# Altium PCB sinking-clock_LED-PCB.PcbDoc (part 2 of 2)
Units mil, origin at the board's own origin, x right, y up, seen from the top; angles counter-clockwise.
Board outline 5984.25 x 3267.72 mil, 2 copper layers (Top Layer, Bottom Layer), stack 61.8 mil thick; 143 components, 145 nets, 483 pads, 178 vias.
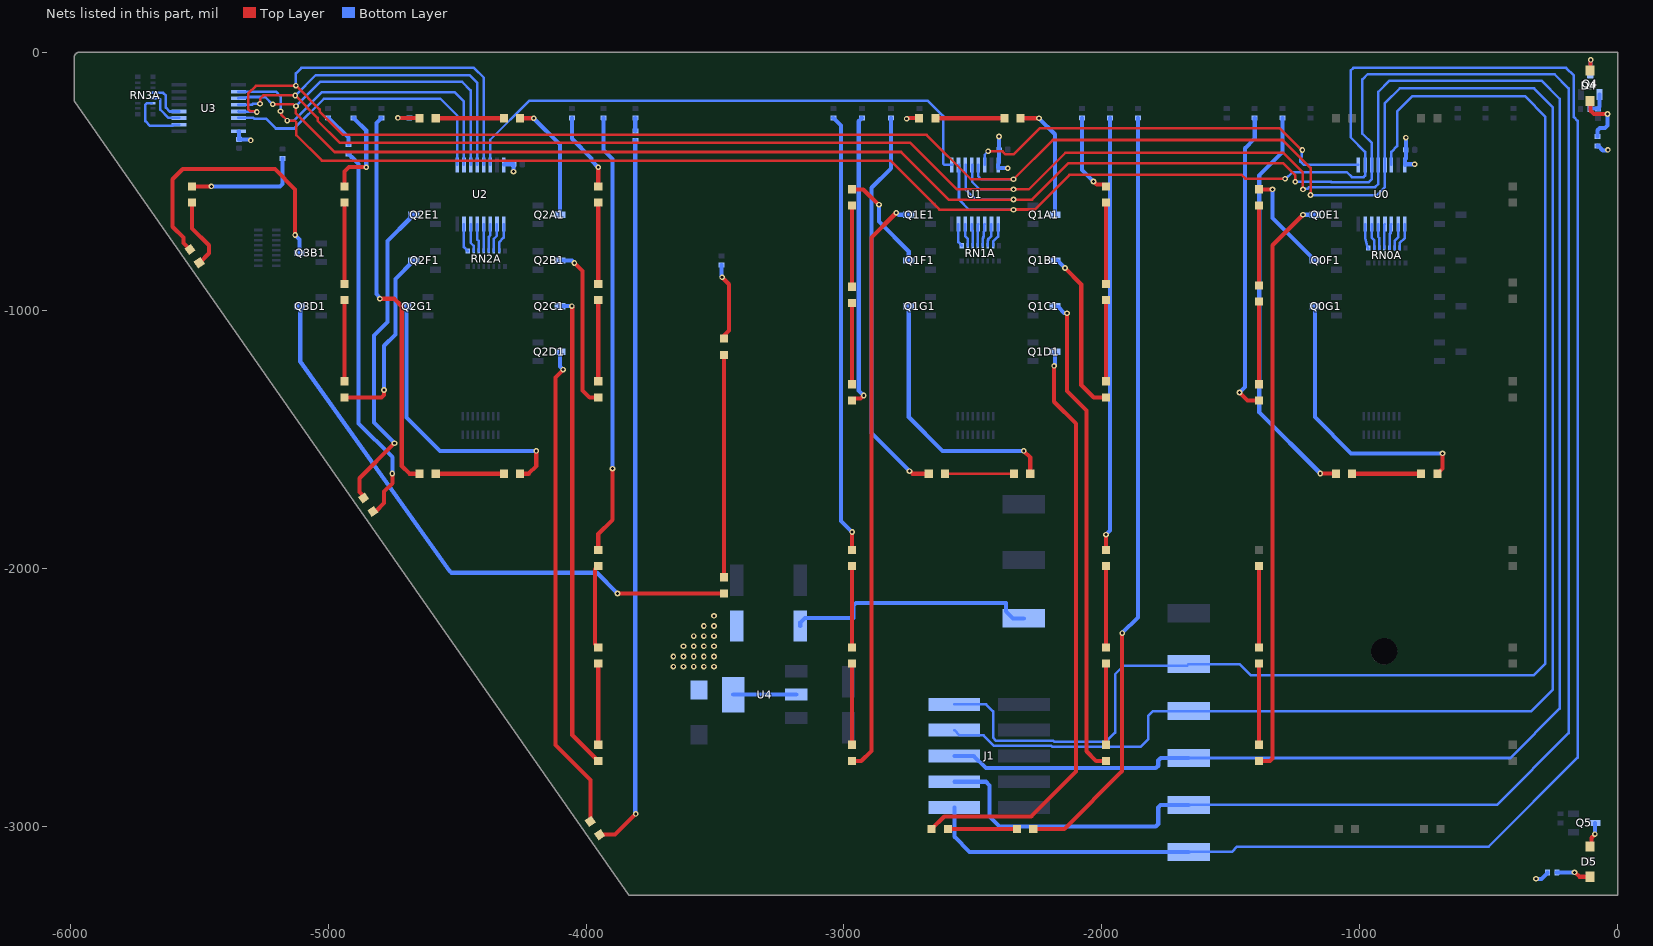
[diagram p2: the nets of this part, all layers, seen from the top]

## Via types
v1: diameter 22, hole 11, Top Layer to Bottom Layer, tented both sides, 177 vias
v2: diameter 24, hole 10, Top Layer to Bottom Layer, tented both sides, 1 vias

## Nets (pads, with @x,y where several pads share a name; then routed paths per layer and width w, separated by ;. In a path a pad name is that pad's centre, name@x,y a point inside that pad or via, vN(x,y) a via of type N, cw(c..) or ccw(c..) an arc to the next point about the centre after c; other vN are vias at no path point) (continued)
NetD0E1_2: D0E1.2 D0E2.1 | length 315
  Top Layer w16: D0E2.1@-1390.94,-2307.09 D0E1.2@-1390.94,-1992.13
NetD0E2_2: D0E2.2 D0E3.1 | length 295.3
  Top Layer w16: D0E3.1@-1390.94,-2677.17 D0E2.2@-1390.94,-2381.89
NetD0E3_2: D0E3.2 Q0E1.3 | length 2260.4
  Top Layer w16: D0E3.2@-1390.94,-2748.03 -1347.96,-2748.03 -1338.58,-2738.66 -1338.58,-748.03 v1(-1220.47,-629.92)
  Bottom Layer w16: v1(-1220.47,-629.92) Q0E1.3@-1174.02,-629.92
NetD0F1_1: D0F1.1 R0F2.1 | length 1177.6
  Top Layer w16: v1(-1466.54,-1318.9) -1435.59,-1349.84 D0F1.1@-1390.94,-1349.84
  Bottom Layer w16: v1(-1466.54,-1318.9) -1445,-1297.36 -1445,-372.17 -1407.48,-334.65 R0F2.1@-1407.48,-254.13
NetD0F1_2: D0F1.2 D0F2.1 | length 320.1
  Top Layer w16: D0F1.2@-1390.94,-1286.85 D0F2.1@-1390.94,-966.77
NetD0F2_2: D0F2.2 D0F3.1 | length 309.8
  Top Layer w16: D0F2.2@-1390.94,-903.78 D0F3.1@-1390.94,-593.93
NetD0F3_2: D0F3.2 Q0F1.3 | length 401.9
  Top Layer w16: D0F3.2@-1390.94,-530.94 -1390.66,-531.22 -1338.86,-531.22 v1(-1338.58,-531.5)
  Bottom Layer w16: v1(-1338.58,-531.5) -1338.58,-642.52 -1187.47,-793.63 -1187.47,-803.08 -1183.46,-807.09 Q0F1.3@-1174.02,-807.09
NetD0G1_1: D0G1.1 R0G2.1 | length 1575.6
  Top Layer w16: v1(-1153.23,-1633.34) -1152.97,-1633.6 -1092.97,-1633.6 D0G1.1@-1092.71,-1633.86
  Bottom Layer w16: R0G2.1@-1299.21,-254.13 -1299.21,-386.17 -1390,-476.96 -1390,-1395.43 -1153.23,-1632.2 v1(-1153.23,-1633.34)
NetD0G1_2: D0G1.2 D0G2.1 | length 267.7
  Top Layer w16: D0G1.2@-1029.72,-1633.86 D0G2.1@-762,-1633.86
NetD0G2_2: D0G2.2 Q0G1.3 | length 1070.4
  Top Layer w16: D0G2.2@-699.01,-1633.86 -679.13,-1613.98 v1(-679.13,-1555.12)
  Bottom Layer w16: Q0G1.3@-1174.02,-984.25 -1174.02,-1414.57 -1033.46,-1555.12 v1(-679.13,-1555.12)
NetD1A1_1: D1A1.1 R1A2.1 | length 101.8
  Top Layer w16: v1(-2757.16,-257.52) -2755.53,-257.52 -2753.04,-255.02 -2709.55,-255.02 D1A1.1@-2708.66,-255.91
  Bottom Layer w16: v1(-2757.16,-257.52) -2755.53,-257.52 -2752.15,-254.13 R1A2.1@-2706.69,-254.13
NetD1A1_2: D1A1.2 D1A2.1 | length 267.7
  Top Layer w16: D1A1.2@-2645.67,-255.91 D1A2.1@-2377.95,-255.91
NetD1A2_2: D1A2.2 Q1A1.3 | length 470.5
  Top Layer w16: D1A2.2@-2314.96,-255.91 v1(-2244.09,-255.91)
  Bottom Layer w16: v1(-2244.09,-255.91) -2182.28,-317.72 Q1A1.3@-2182.28,-629.92
NetD1B1_1: D1B1.1 R1B2.1 | length 321.3
  Top Layer w16: v1(-2032.77,-500.89) -2031.14,-500.89 -2020.1,-511.94 -1992,-511.94 D1B1.1@-1984.25,-519.69
  Bottom Layer w16: R1B2.1@-2076.77,-254.13 -2076.77,-456.88 v1(-2032.77,-500.89)
NetD1B1_2: D1B1.2 D1B2.1 | length 315
  Top Layer w16: D1B2.1@-1984.25,-897.64 D1B1.2@-1984.25,-582.68
NetD1B2_2: D1B2.2 D1B3.1 | length 315
  Top Layer w16: D1B3.1@-1984.25,-1275.59 D1B2.2@-1984.25,-960.63
NetD1B3_2: D1B3.2 Q1B1.3 | length 646.7
  Top Layer w16: v1(-2143.31,-836.61) -2080,-899.92 -2080,-1290 -2031.42,-1338.58 D1B3.2@-1984.25,-1338.58
  Bottom Layer w16: Q1B1.3@-2182.28,-807.09 -2172.83,-807.09 v1(-2143.31,-836.61)
NetD1C1_1: D1C1.1 R1C2.1 | length 1681.5
  Top Layer w16: D1C1.1@-1984.25,-1929.13 v1(-1984.25,-1870.08)
  Bottom Layer w16: v1(-1984.25,-1870.08) -1968.5,-1854.33 R1C2.1@-1968.5,-254.13
NetD1C1_2: D1C1.2 D1C2.1 | length 305.1
  Top Layer w16: D1C2.1@-1984.25,-2303.15 D1C1.2@-1984.25,-1998.03
NetD1C2_2: D1C2.2 D1C3.1 | length 315
  Top Layer w16: D1C3.1@-1984.25,-2685.04 D1C2.2@-1984.25,-2370.08
NetD1C3_2: D1C3.2 Q1C1.3 | length 1879.2
  Top Layer w16: v1(-2135.42,-1011.81) -2135.42,-1313.17 -2060,-1388.58 -2060,-2710 -2021.97,-2748.03 D1C3.2@-1984.25,-2748.03
  Bottom Layer w16: Q1C1.3@-2182.28,-984.25 -2178.28,-988.26 -2168.83,-988.26 -2146.42,-1010.66 -2136.56,-1010.66 v1(-2135.42,-1011.81)
NetD1D1_1: D1D1.1 R1D2.1 | length 2996.5
  Top Layer w16: D1D1.1@-2266.3,-3011.81 -2145.67,-3011.81 -1921.26,-2787.4 v1(-1921.26,-2251.97)
  Bottom Layer w16: v1(-1921.26,-2251.97) -1860.24,-2190.95 R1D2.1@-1860.24,-254.13
NetD1D1_2: D1D1.2 D1D2.1 | length 267.7
  Top Layer w16: D1D2.1@-2597.01,-3011.81 D1D1.2@-2329.3,-3011.81
NetD1D2_2: D1D2.2 Q1D1.3 | length 2316.2
  Top Layer w16: D1D2.2@-2660,-3011.81 -2611.14,-2962.95 -2273.97,-2962.95 -2100,-2788.98 -2100,-1440 -2185.04,-1354.96 v1(-2185.04,-1215.81)
  Bottom Layer w16: v1(-2185.04,-1215.81) -2185.04,-1214.18 -2182.28,-1211.43 Q1D1.3@-2182.28,-1161.42
NetD1E1_1: D1E1.1 R1E2.1 | length 1705.2
  Top Layer w16: D1E1.1@-2968.5,-1929.13 v1(-2968.5,-1860.24)
  Bottom Layer w16: R1E2.1@-3041.34,-254.13 -3011.81,-283.66 -3011.81,-1816.93 v1(-2968.5,-1860.24)
NetD1E1_2: D1E1.2 D1E2.1 | length 295.3
  Top Layer w16: D1E2.1@-2968.5,-2303.15 D1E1.2@-2968.5,-2007.87
NetD1E2_2: D1E2.2 D1E3.1 | length 315
  Top Layer w16: D1E3.1@-2968.5,-2685.04 D1E2.2@-2968.5,-2370.08
NetD1E3_2: D1E3.2 Q1E1.3 | length 2269.3
  Top Layer w16: D1E3.2@-2968.5,-2748.03 -2933.07,-2748.03 -2893.7,-2708.66 -2893.7,-718.5 v1(-2797.28,-622.09)
  Bottom Layer w16: v1(-2797.28,-622.09) -2795.66,-622.09 -2787.82,-629.92 Q1E1.3@-2748.82,-629.92
NetD1F1_1: D1F1.1 R1F2.1 | length 1144.7
  Top Layer w16: D1F1.1@-2968.5,-1349.84 -2960.76,-1342.09 -2936.14,-1342.09 -2924.85,-1330.81 v1(-2923.23,-1330.81)
  Bottom Layer w16: R1F2.1@-2929.79,-254.13 -2931.96,-254.13 -2933.6,-255.78 -2933.6,-257.94 -2942.91,-267.26 -2942.91,-1311.12 v1(-2923.23,-1330.81)
NetD1F1_2: D1F1.2 D1F2.1 | length 315
  Top Layer w16: D1F1.2@-2968.5,-1286.85 D1F2.1@-2968.5,-971.89
NetD1F2_2: D1F2.2 D1F3.1 | length 315
  Top Layer w16: D1F2.2@-2968.5,-908.9 D1F3.1@-2968.5,-593.94
NetD1F3_2: D1F3.2 Q1F1.3 | length 393.3
  Top Layer w16: D1F3.2@-2968.5,-530.94 -2968.23,-531.22 -2925.13,-531.22 -2865.8,-590.55 v1(-2864.17,-590.55)
  Bottom Layer w16: v1(-2864.17,-590.55) -2864.17,-656.3 -2748.82,-771.66 Q1F1.3@-2748.82,-807.09
NetD1G1_1: D1G1.1 R1G2.1 | length 1541.2
  Top Layer w16: v1(-2746.06,-1624.02) -2744.44,-1624.02 -2734.6,-1633.86 D1G1.1@-2671.26,-1633.86
  Bottom Layer w16: R1G2.1@-2818.24,-254.13 -2818.24,-449.73 -2893.7,-525.19 -2893.7,-1476.38 v1(-2746.06,-1624.02)
NetD1G1_2: D1G1.2 D1G2.1 | length 267.7
  Top Layer w9.84: D1G1.2@-2608.27,-1633.86 D1G2.1@-2340.55,-1633.86
NetD1G2_2: D1G2.2 Q1G1.3 | length 1029.3
  Top Layer w16: v1(-2303.15,-1545.28) -2277.56,-1570.87 D1G2.2@-2277.56,-1633.86
  Bottom Layer w16: Q1G1.3@-2748.82,-984.25 -2748.82,-1414.57 -2618.11,-1545.28 v1(-2303.15,-1545.28)
NetD2A1_1: D2A1.1 R2A2.1 | length 129.1
  Top Layer w16: v1(-4729.54,-254.13) -4728.66,-255.02 -4646.55,-255.02 D2A1.1@-4645.67,-255.91
  Bottom Layer w16: v1(-4729.54,-254.13) R2A2.1@-4685.04,-254.13
NetD2A1_2: D2A1.2 D2A2.1 | length 263.8
  Top Layer w16: D2A1.2@-4582.68,-255.91 D2A2.1@-4318.9,-255.91
NetD2A2_2: D2A2.2 Q2A1.3 | length 469.1
  Top Layer w16: D2A2.2@-4255.91,-255.91 v1(-4202.76,-255.91)
  Bottom Layer w16: v1(-4202.76,-255.91) -4101.57,-357.09 Q2A1.3@-4101.57,-629.92
NetD2B1_1: D2B1.1 R2B2.1 | length 308
  Top Layer w16: D2B1.1@-3952.76,-519.69 v1(-3952.76,-445.92)
  Bottom Layer w16: R2B2.1@-4055.12,-254.13 -4055.12,-335.26 -3979.01,-411.37 -3979.01,-419.67 v1(-3952.76,-445.92)
NetD2B1_2: D2B1.2 D2B2.1 | length 315
  Top Layer w16: D2B2.1@-3952.76,-897.64 D2B1.2@-3952.76,-582.68
NetD2B2_2: D2B2.2 D2B3.1 | length 315
  Top Layer w16: D2B3.1@-3952.76,-1275.59 D2B2.2@-3952.76,-960.63
NetD2B3_2: D2B3.2 Q2B1.3 | length 639.7
  Top Layer w16: v1(-4045.28,-816.93) -4013.71,-848.49 -4013.71,-1310.7 -3985.83,-1338.58 D2B3.2@-3952.76,-1338.58
  Bottom Layer w16: Q2B1.3@-4101.57,-807.09 -4055.12,-807.09 v1(-4045.28,-816.93)
NetD2C1_1: D2C1.1 R2C2.1 | length 1712.1
  Top Layer w16: D2C1.1@-3952.76,-1929.13 -3952.76,-1867.77 -3897.64,-1812.65 v1(-3897.64,-1614.17)
  Bottom Layer w16: R2C2.1@-3932.09,-254.13 -3932.09,-379.5 -3897.64,-413.95 v1(-3897.64,-1614.17)
NetD2C1_2: D2C1.2 D2C2.1 | length 325.1
  Top Layer w16: D2C2.1@-3952.76,-2307.09 -3965,-2294.84 -3965,-2004.37 D2C1.2@-3952.76,-1992.13
NetD2C2_2: D2C2.2 D2C3.1 | length 315
  Top Layer w16: D2C3.1@-3952.76,-2685.04 D2C2.2@-3952.76,-2370.08
NetD2C3_2: D2C3.2 Q2C1.3 | length 1852.6
  Top Layer w16: v1(-4055.12,-984.25) -4053.97,-985.4 -4053.97,-989.64 -4053.44,-990.18 -4053.44,-2647.35 D2C3.2@-3952.76,-2748.03
  Bottom Layer w16: Q2C1.3@-4101.57,-984.25 v1(-4055.12,-984.25)
NetD2D1_1: D2D1.1 R2D2.1 | length 2785.8
  Top Layer w16: D2D1.1@-3947.5,-3033.67 -3946.95,-3033.12 -3932.46,-3033.12 -3931.75,-3032.41 -3887.29,-3032.41 v1(-3807.64,-2952.76)
  Bottom Layer w16: R2D2.1@-3809.06,-340.94 -3809.06,-2949.72 -3807.64,-2951.13 v1(-3807.64,-2952.76)
NetD2D1_2: D2D1.2 Q2D1.3 | length 1893.6
  Top Layer w16: v1(-4088.98,-1230.32) -4088.98,-1231.94 -4118.19,-1261.15 -4118.19,-2686.35 -3983.42,-2821.12 D2D1.2@-3983.42,-2981.86
  Bottom Layer w16: Q2D1.3@-4101.57,-1161.42 -4101.57,-1217.72 v1(-4088.98,-1230.32)
NetD2E1_1: D2E1.1 R2E2.1 | length 1496
  Top Layer w16: D2E1.1@-4826.42,-1779.74 -4815.53,-1779.74 -4783.46,-1747.67 -4783.46,-1703.39 -4751.22,-1671.14 v1(-4751.22,-1633.35)
  Bottom Layer w16: R2E2.1@-4921.26,-393.7 -4919.09,-393.7 -4917.45,-395.35 -4917.45,-398.69 -4911.42,-404.72 -4910.24,-404.72 -4881.89,-433.07 -4881.89,-1439.2 -4751.22,-1569.88 v1(-4751.22,-1633.35)
NetD2E1_2: D2E1.2 Q2E1.3 | length 1264
  Top Layer w16: D2E1.2@-4862.55,-1728.14 -4862.55,-1721.25 -4878.98,-1704.83 -4878.98,-1651.41 v1(-4743.07,-1515.51)
  Bottom Layer w16: v1(-4743.07,-1515.51) -4822.83,-1435.74 -4822.83,-1097.93 -4770.44,-1045.53 -4770.44,-732.25 -4681.57,-643.38 -4681.57,-633.93 -4677.56,-629.92 Q2E1.3@-4668.11,-629.92
NetD2F1_1: D2F1.1 R2F2.1 | length 362.7
  Top Layer w16: D2F1.1@-4937.01,-519.69 -4937.01,-462.6 -4919.64,-445.23 -4853.05,-445.23 v1(-4852.36,-445.92)
  Bottom Layer w16: R2F2.1@-4901.57,-254.13 -4899.41,-254.13 -4897.76,-255.78 -4897.76,-257.94 -4852.36,-303.35 v1(-4852.36,-445.92)
NetD2F1_2: D2F1.2 D2F2.1 | length 315
  Top Layer w16: D2F2.1@-4937.01,-897.64 D2F1.2@-4937.01,-582.68
NetD2F2_2: D2F2.2 D2F3.1 | length 315
  Top Layer w16: D2F3.1@-4937.01,-1275.59 D2F2.2@-4937.01,-960.63
NetD2F3_2: D2F3.2 Q2F1.3 | length 727.1
  Top Layer w16: D2F3.2@-4937.01,-1338.58 -4793.31,-1338.58 -4783.46,-1328.74 v1(-4783.46,-1309.06)
  Bottom Layer w16: v1(-4783.46,-1309.06) -4783.46,-1137.72 -4739.31,-1093.57 -4739.31,-878.29 Q2F1.3@-4668.11,-807.09
NetD2G1_1: D2G1.1 R2G2.1 | length 1514.2
  Top Layer w16: v1(-4799.44,-955.32) -4743.91,-955.32 -4714.57,-984.66 -4714.57,-1604.33 -4685.04,-1633.86 D2G1.1@-4645.67,-1633.86
  Bottom Layer w16: v1(-4799.44,-955.32) -4800.58,-954.17 -4800.58,-950.17 -4813.16,-937.59 -4813.16,-273.99 -4797.12,-257.94 -4797.12,-255.78 -4795.47,-254.13 R2G2.1@-4793.31,-254.13
NetD2G1_2: D2G1.2 D2G2.1 | length 263.8
  Top Layer w16: D2G1.2@-4582.68,-1633.86 D2G2.1@-4318.9,-1633.86
NetD2G2_2: D2G2.2 Q2G1.3 | length 1118.6
  Top Layer w16: D2G2.2@-4255.91,-1633.86 -4222.44,-1633.86 -4192.91,-1604.33 v1(-4192.91,-1545.28)
  Bottom Layer w16: Q2G1.3@-4695.57,-988.26 -4695.57,-1416.64 -4566.93,-1545.28 v1(-4192.91,-1545.28)
NetD3B1_1: D3B1.1 R3B1.1 | length 453
  Top Layer w16: D3B1.1@-5527.56,-519.69 v1(-5452.76,-519.69)
  Bottom Layer w16: v1(-5452.76,-519.69) -5186.54,-519.69 -5177.17,-510.31 R3B1.1@-5177.17,-411.61
NetD3B1_2: D3B1.2 D3B2.1 | length 275.7
  Top Layer w16: D3B1.2@-5527.56,-582.68 -5527.56,-683.07 -5462.6,-748.03 -5462.6,-779.1 D3B2.1@-5499.65,-816.15
NetD3B2_2: D3B2.2 Q3B1.3 | length 1077.6
  Top Layer w16: D3B2.2@-5535.78,-764.55 -5561.02,-739.31 -5561.02,-718.5 -5603.17,-676.36 -5603.17,-492.13 -5563.8,-452.76 -5206.69,-452.76 -5127.95,-531.5 v1(-5127.95,-708.66)
  Bottom Layer w16: v1(-5127.95,-708.66) -5111.02,-725.59 Q3B1.3@-5111.02,-777.56
NetD3D1_1: D3D1.1 R3D2.1 | length 293.3
  Top Layer w16: v1(-3472.37,-872.29) -3445.31,-899.35 -3445.31,-1078.99 D3D1.1@-3464.57,-1098.25
  Bottom Layer w16: R3D2.1@-3474.51,-825 -3474.51,-868.52 -3472.37,-870.66 v1(-3472.37,-872.29)
NetD3D1_2: D3D1.2 D3D2.1 | length 862.2
  Top Layer w16: D3D2.1@-3464.57,-2035.43 D3D1.2@-3464.57,-1173.23
NetD3D2_2: D3D2.2 Q3D1.3 | length 2314.8
  Top Layer w16: v1(-3877.95,-2098.43) -3466.53,-2098.42 D3D2.2@-3464.57,-2096.46
  Bottom Layer w16: Q3D1.3@-5111.02,-984.25 -5108.27,-987.01 -5108.27,-1198.85 -4527.96,-2012.09 -4527.02,-2013.03 -4522.33,-2017.72 -3958.66,-2017.72 v1(-3877.95,-2098.43)
NetD4_1: D4.1 R6.2 | length 224.6
  Top Layer w16: D4.1@-107.08,-188.98 -105.24,-190.82 -105.24,-226.38 -92.56,-239.06 v1(-39.66,-239.06)
  Bottom Layer w16: R6.2@-78.74,-326.57 -78.74,-302.3 -69.37,-292.93 -49.03,-292.93 -39.66,-283.56 v1(-39.66,-239.06)
NetD4_2: D4.2 Q4.3 | length 93.7
  Top Layer w16: D4.2@-107.08,-70.87 -105.53,-69.31 -105.53,-30.63 v1(-104.38,-29.48)
  Bottom Layer w16: Q4.3@-106.3,-79.92 -105.34,-78.96 -105.34,-30.44 v1(-104.38,-29.48)
NetD5_1: D5.1 R7.2 | length 136.3
  Top Layer w16: v1(-167.32,-3179.53) -165.7,-3179.53 -148.7,-3196.53 -107.4,-3196.53 D5.1@-107.08,-3196.85
  Bottom Layer w16: R7.2@-236.22,-3179.53 v1(-167.32,-3179.53)
NetD5_2: D5.2 Q5.3 | length 98.5
  Top Layer w16: D5.2@-107.08,-3078.74 -100.97,-3072.63 -100.97,-3045.51 -88.58,-3033.12 v1(-88.58,-3031.5)
  Bottom Layer w16: v1(-88.58,-3031.5) -88.19,-3031.1 -88.19,-2988.58 Q5.3@-87.8,-2988.19
NetQ4_1: Q4.1 R9.2 R10.2 | length 92.9
  Bottom Layer w16: R10.2@-108.07,-220.47 -108.07,-219.54 -106.43,-217.89 R9.2@-75.94,-217.89 ; R9.2@-75.94,-218.8 -72.13,-218.8 -72.13,-211.28 -70.28,-209.42 Q4.1@-70.28,-164.17
NetR2D1_1: R2D1.1 R2D2.2 | length 51
  Bottom Layer w16: R2D2.2@-3809.06,-305.12 R2D1.1@-3809.06,-254.13
NetR2E1_1: R2E1.1 R2E2.2 | length 137.6
  Bottom Layer w16: R2E1.1@-5000,-254.13 -4997.83,-254.13 -4921.26,-330.71 R2E2.2@-4921.26,-357.87
NetRN0A_9: RN0A.9 U0.7 | length 98.1
  Bottom Layer w9.84: U0.7@-979.35,-666.18 -979.35,-719.67 -970.53,-753.35 RN0A.9@-966.8,-762.4
NetRN0A_10: RN0A.10 U0.6 | length 101.7
  Bottom Layer w9.84: U0.6@-953.35,-666.18 -953.35,-719.84 -943.69,-729.5 RN0A.10@-943.69,-763.87
NetRN0A_11: RN0A.11 U0.5 | length 99.5
  Bottom Layer w9.84: U0.5@-928.35,-666.18 -928.35,-715.83 -924.01,-720.17 RN0A.11@-924.01,-763.87
NetRN0A_12: RN0A.12 U0.4 | length 93.7
  Bottom Layer w9.84: RN0A.12@-904.61,-758.95 -904.61,-750.47 -904.27,-750.13 -904.27,-668.09 U0.4@-902.35,-666.18
NetRN0A_13: RN0A.13 U0.3 | length 100.7
  Bottom Layer w9.84: RN0A.13@-884.64,-763.87 -884.64,-704.86 -880.85,-701.08 -880.85,-697.37 -879.43,-695.95 -879.43,-668.26 U0.3@-877.35,-666.18
NetRN0A_14: RN0A.14 U0.2 | length 103.3
  Bottom Layer w9.84: RN0A.14@-864.95,-763.87 -864.95,-731.41 -851.26,-717.71 U0.2@-851.26,-666.28
NetRN0A_15: RN0A.15 U0.1 | length 105.9
  Bottom Layer w9.84: RN0A.15@-845.27,-763.87 -845.27,-739.07 -825.35,-719.16 U0.1@-825.35,-666.18
NetRN1A_9: RN1A.9 U1.7 | length 89.1
  Bottom Layer w9.84: U1.7@-2556.13,-666.18 -2556.13,-736.06 -2543.57,-748.61 RN1A.9@-2543.57,-750.08
NetRN1A_10: RN1A.10 U1.6 | length 87.9
  Bottom Layer w9.84: U1.6@-2530.13,-666.18 -2530.13,-712.94 -2520.46,-722.6 RN1A.10@-2520.46,-750.08
NetRN1A_11: RN1A.11 U1.5 | length 85.6
  Bottom Layer w9.84: U1.5@-2505.13,-666.18 -2505.13,-688.18 -2500.55,-692.76 -2500.55,-701.15 -2500.47,-701.24 -2500.47,-744.85 -2500.78,-745.16 RN1A.11@-2500.78,-749.77
NetRN1A_12: RN1A.12 U1.4 | length 84.7
  Bottom Layer w9.84: RN1A.12@-2481.09,-750.08 -2481.09,-668.15 U1.4@-2479.13,-666.18
NetRN1A_13: RN1A.13 U1.3 | length 86.9
  Bottom Layer w9.84: RN1A.13@-2461.41,-750.08 -2461.41,-721.35 -2459.23,-719.18 -2459.23,-715.63 -2457.7,-714.1 -2457.7,-696.03 -2456.2,-694.53 -2456.2,-668.26 U1.3@-2454.13,-666.18
NetRN1A_14: RN1A.14 U1.2 | length 89.5
  Bottom Layer w9.84: RN1A.14@-2441.72,-750.08 -2441.72,-729.02 -2439.89,-727.19 -2439.89,-723.64 -2428.13,-711.88 U1.2@-2428.13,-666.18
NetRN1A_15: RN1A.15 U1.1 | length 92.2
  Bottom Layer w9.84: RN1A.15@-2422.04,-750.08 -2422.04,-736.69 -2421.72,-736.37 -2421.72,-734.27 -2402.13,-714.68 U1.1@-2402.13,-666.18
NetRN2A_9: RN2A.9 U2.7 | length 110.9
  Bottom Layer w9.84: U2.7@-4473.45,-666.18 -4473.45,-755.07 -4458.93,-769.59 RN2A.9@-4458.93,-771.06
NetRN2A_10: RN2A.10 U2.6 | length 109.7
  Bottom Layer w9.84: U2.6@-4447.45,-666.18 -4447.45,-738.3 -4435.82,-749.93 RN2A.10@-4435.82,-771.06
NetRN2A_11: RN2A.11 U2.5 | length 107.5
  Bottom Layer w9.84: U2.5@-4422.45,-666.18 -4422.45,-725.04 -4416.13,-731.36 RN2A.11@-4416.13,-771.06
NetRN2A_12: RN2A.12 U2.4 | length 104.9
  Bottom Layer w9.84: RN2A.12@-4396.45,-771.06 U2.4@-4396.45,-666.18
NetRN2A_13: RN2A.13 U2.3 | length 107.1
  Bottom Layer w9.84: RN2A.13@-4376.76,-771.06 -4376.76,-715.26 -4371.45,-709.94 U2.3@-4371.45,-666.18
NetRN2A_14: RN2A.14 U2.2 | length 109.7
  Bottom Layer w9.84: RN2A.14@-4357.08,-771.06 -4357.08,-722.93 -4345.45,-711.3 U2.2@-4345.45,-666.18
NetRN2A_15: RN2A.15 U2.1 | length 112.3
  Bottom Layer w9.84: RN2A.15@-4337.39,-771.06 -4337.39,-736.74 -4319.45,-718.79 U2.1@-4319.45,-666.18
NetRN3A_12: RN3A.12 U3.4 | length 158.9
  Bottom Layer w10: RN3A.12@-5679.13,-157.48 -5639.76,-157.48 -5629.45,-167.79 -5629.45,-214.85 -5614.79,-229.51 U3.4@-5577.6,-229.54
NetRN3A_13: RN3A.13 U3.3 | length 156.3
  Bottom Layer w10: RN3A.13@-5679.13,-177.17 -5656.87,-177.17 -5651.01,-183.02 -5651.01,-221.77 -5618.27,-254.51 U3.3@-5577.6,-254.54
NetRN3A_14: RN3A.14 U3.2 | length 231.3
  Bottom Layer w10: RN3A.14@-5683.98,-196.93 -5687.02,-196.93 -5687.2,-197.11 -5702.73,-197.11 -5708.59,-202.97 -5708.59,-266.74 -5690.29,-285.04 -5604.1,-285.04 -5599.6,-280.54 U3.2@-5577.6,-280.54
NetU0_9: U0.9 U1.14 | length 1635.1
  Top Layer w9.84: v1(-2440.94,-383.86) -2385.19,-383.86 -2373.11,-395.94 -2342.36,-395.94 -2241.42,-295 -1309.89,-295 -1225.99,-378.9 v1(-1222.7,-378.9)
  Bottom Layer w9.84: U1.14@-2454.09,-436.15 -2454.09,-397.18 -2440.94,-384.03 v1(-2440.94,-383.86) ; v1(-1222.7,-378.9) -1225.02,-381.23 -1225.02,-404.64 -1229.97,-409.59 -1229.97,-423.57 -1217.36,-436.18 U0.9@-1005.35,-436.18
NetU1_9: U1.9 U2.14 | length 2162.2
  Bottom Layer w9.84: U2.14@-4371.45,-436.18 -4371.45,-338.98 -4219.48,-187.01 -2675.69,-187.01 -2615.87,-246.83 -2615.87,-430.42 -2610.11,-436.18 U1.9@-2580.16,-436.18
NetU2_9: U2.9 U3.14 | length 1130.7
  Bottom Layer w9.84: U3.14@-5347.6,-254.54 -5289.85,-254.54 -5287.24,-257.14 -5241.37,-257.14 -5203.02,-295.49 -5132.08,-295.49 -5016.59,-180 -4565.05,-180 -4499.45,-245.6 U2.9@-4499.45,-436.18
SHIFT_DATA_CLK: J1.8 TP6.1 U0.11 U1.11 U2.11 U3.11 | length 12445.7
  Top Layer w9.84: v1(-5214.66,-201.54) -5135.13,-201.54 -5128.05,-208.62 v1(-5124.76,-208.62) -5124.76,-236.95 -4975.22,-386.49 -2778.51,-386.49 -2594.13,-570.87 v1(-2342.37,-570.87) -2270.87,-570.87 -2130,-430 -1298.19,-430 -1250,-478.19 v1(-1250,-501.97)
  Bottom Layer w9.84: U3.11@-5347.6,-178.54 -5345.52,-176.46 -5319.75,-176.46 -5317.75,-174.46 -5312.42,-174.46 -5311.22,-173.26 -5243.92,-173.26 -5215.64,-201.54 v1(-5214.66,-201.54) ; v1(-5124.76,-208.62) -5031.13,-115 -4480,-115 -4447.45,-147.55 U2.11@-4447.45,-436.18 ; U1.11@-2528.16,-436.18 -2528.05,-436.29 -2528.05,-531.12 -2488.3,-570.87 v1(-2342.37,-570.87) ; TP6.1@-1663.39,-2918.31 -468.31,-2918.31 -190,-2640 -190,-140 -245,-85 -970,-85 -990,-105 -990,-315.67 -953.35,-352.31 U0.11@-953.35,-436.18 -953.35,-492.05 -964.67,-503.37 -1110.04,-503.37 -1111.45,-501.97 v1(-1250,-501.97)
  Bottom Layer w16: J1.8@-2572.01,-2828.35 -2449.76,-2828.35 -2435.49,-2842.62 -2435.49,-2962.6 -2396.12,-3001.97 -1791.09,-3001.97 -1781.5,-2992.38 -1781.5,-2927.68 -1772.12,-2918.31 TP6.1@-1663.39,-2918.31
SHIFT_DATA_IN: J1.2 TP3.1 U0.14 | length 5673.8
  Bottom Layer w9.84: J1.2@-2572.01,-2528.35 -2448.82,-2528.35 -2422.01,-2555.15 -2422.01,-2657.46 -2409.89,-2669.58 -2188.02,-2669.58 -2184.81,-2672.79 -1983.82,-2672.79 -1948.82,-2637.8 -1948.82,-2411.42 -1916.13,-2378.72 -1670.06,-2378.72 TP3.1@-1663.39,-2372.05 -1466.54,-2372.05 -1423.58,-2415 -325,-2415 -280,-2370 -280,-250 -360,-170 -795,-170 -855,-230 -855,-363.44 -877.35,-385.8 U0.14@-877.35,-436.18
SHIFT_MCLR: J1.10 TP7.1 U0.10 U1.10 U2.10 U3.10 | length 12734.3
  Top Layer w9.84: v1(-5184.62,-228.77) -5182.3,-231.1 -5182.3,-241.28 v1(-5158.6,-264.98) -5129.52,-264.98 -5123.75,-270.75 -5123.75,-320.81 -5024.56,-420 -2820,-420 -2629.76,-610.24 v1(-2342.52,-610.24) -2341.84,-609.56 -2259.56,-609.56 -2125.47,-475.47 -1457.66,-475.47 -1443.16,-489.97 v1(-1289.37,-489.97)
  Bottom Layer w9.84: U3.10@-5347.6,-152.54 -5203.07,-152.54 -5184.62,-170.99 v1(-5184.62,-228.77) ; v1(-5158.6,-264.98) -5157.52,-266.06 -5134.84,-266.06 -5023.41,-154.63 -4509.82,-154.63 -4473.45,-191 U2.10@-4473.45,-436.18 ; U1.10@-2554.16,-436.18 -2554.05,-436.29 -2554.05,-570.87 -2514.17,-610.74 -2388.73,-610.74 -2388.22,-610.24 v1(-2342.52,-610.24) ; TP7.1@-1663.39,-3100.39 -1496.06,-3100.39 -1475.67,-3080 -500,-3080 -155,-2735 -155,-266.26 -170,-251.26 -170,-90 -200,-60 -1025,-60 -1035,-70 -1035,-330.15 -979.35,-385.8 -979.35,-478.27 -985.12,-484.03 -1030.91,-484.03 -1049.94,-465 -1261.11,-465 -1286.08,-489.97 v1(-1289.37,-489.97)
  Bottom Layer w16: J1.10@-2572.01,-2928.35 -2572.01,-3041.34 -2512.95,-3100.39 TP7.1@-1663.39,-3100.39
SHIFT_OUTPUT_EN: J1.4 TP4.1 U0.13 U1.13 U2.13 U3.13 | length 12075.9
  Top Layer w9.84: v1(-5276.51,-231.22) -5278.83,-228.9 -5299.91,-228.9 -5300.03,-228.77 -5301.23,-228.77 -5310,-220 -5310,-160 -5280,-130 -5126.05,-130 v1(-5125.19,-129.15) -5032.74,-221.6 -5032.74,-229.88 -4942.62,-320 -2680,-320 -2507.87,-492.13 v1(-2342.37,-492.13) -2190.24,-340 -1299.13,-340 -1190.94,-448.19 v1(-1190.94,-553.42)
  Bottom Layer w9.84: U3.13@-5347.6,-229.54 -5346.76,-230.38 -5277.35,-230.38 v1(-5276.51,-231.22) ; v1(-5125.19,-129.15) -5125.19,-81.82 -5103.58,-60.21 -4434.79,-60.21 -4396.45,-98.55 U2.13@-4396.45,-436.18 ; J1.4@-2572.01,-2628.35 -2551.93,-2648.43 -2458.41,-2648.43 -2417.91,-2688.93 -2196.03,-2688.93 -2192.82,-2692.14 -1848.63,-2692.14 -1820.87,-2664.37 -1820.87,-2573.82 -1801.18,-2554.13 TP4.1@-1663.39,-2554.13 -334.9,-2554.13 -250.99,-2470.22 -250.99,-213.45 -324.43,-140 -845,-140 -902.35,-197.35 U0.13@-902.35,-436.18 -902.35,-522.35 -933.42,-553.42 v1(-1190.94,-553.42) ; U1.13@-2479.21,-436.27 -2479.21,-480.91 -2467.99,-492.13 v1(-2342.37,-492.13)
SHIFT_STORE_CLK: J1.6 TP5.1 U0.12 U1.12 U2.12 U3.12 | length 12020.6
  Top Layer w9.84: v1(-5264.14,-199.18) -5264.14,-180 -5251.46,-167.32 v1(-5127.39,-167.35) -5040.46,-254.27 -5040.46,-265.4 -4955.86,-350 -2743.27,-350 -2561.77,-531.5 v1(-2342.37,-531.5) -2283.5,-531.5 -2142,-390 -1296.12,-390 -1220.47,-465.64 v1(-1220.47,-531.5)
  Bottom Layer w9.84: U3.12@-5347.6,-203.54 -5347.14,-203.08 -5294.82,-203.08 -5290.93,-199.18 v1(-5264.14,-199.18) ; v1(-5127.39,-167.35) -5126.74,-167.35 -5048.07,-88.69 -4451.31,-88.69 -4422.45,-117.55 U2.12@-4422.45,-436.18 ; U1.12@-2503.16,-436.18 -2503.16,-460.15 -2503.05,-460.26 -2503.05,-501.95 -2473.5,-531.5 v1(-2342.37,-531.5) ; TP5.1@-1663.39,-2736.22 -416.22,-2736.22 -225,-2545 -225,-180 -295,-110 -885,-110 -928.35,-153.35 U0.12@-928.35,-436.18 -928.35,-510.71 -940.36,-522.72 -1196.19,-522.72 -1202.65,-529.17 -1218.15,-529.17 v1(-1220.47,-531.5)
  Bottom Layer w16: J1.6@-2572.01,-2728.35 -2497.01,-2728.35 -2449.76,-2775.59 -1790.87,-2775.59 -1781.5,-2766.22 -1781.5,-2746.06 -1771.65,-2736.22 TP5.1@-1663.39,-2736.22
VCC: C2.1 C3.1 C4A.2 C4B.2 C4C.2 C4D.1 D1.A R6.1 R7.1 TP2.1 U0.16 U1.16 U2.16 U3.16 U4.2 U4.4 | length 1774.6
  Bottom Layer w16: U3.16@-5347.6,-306.54 -5346.52,-306.54 -5345.52,-307.54 -5345.52,-336.41 -5346.02,-336.91 C4D.1@-5345.52,-337.4 -5304.21,-337.4 v1(-5300.03,-341.58) ; U2.16@-4318.37,-434.51 -4318.26,-434.4 -4315.25,-434.4 -4314.96,-434.1 C4C.2@-4280.79,-434.1 -4281.14,-434.45 -4281.14,-462.25 v1(-4281.5,-462.6) ; U4.4@-3429.13,-2490.16 U4.2@-3185.04,-2490.16 ; C2.1@-3169.29,-2224.41 -3169.29,-2210.91 -3151.29,-2192.91 -2962.6,-2192.91 -2962.6,-2145.2 -2953.23,-2135.83 -2372.05,-2135.83 -2372.05,-2167.45 -2344.61,-2194.88 TP2.1@-2303.15,-2194.88 ; U1.16@-2402.13,-436.18 -2402.13,-447.65 -2401.13,-448.65 -2366.11,-448.65 v1(-2364.96,-449.8) ; U1.16@-2398.82,-428.38 C4B.2@-2398.82,-376.97 v1(-2398.82,-326.77) ; U0.16@-825.35,-436.18 -825.35,-434.07 -825.35,-416.18 -821.26,-412.09 C4A.2@-821.26,-377.95 v1(-821.26,-330.71) ; U0.16@-825.32,-434.1 v1(-787.4,-434.1) ; v1(-316.8,-3204.72) -295.08,-3204.72 -272.05,-3181.69 R7.1@-272.05,-3179.53 ; R6.1@-78.74,-362.4 -77.09,-364.05 -74.93,-364.05 -57.99,-380.99 -42.44,-380.99 -39.66,-378.2 v1(-38.03,-378.2)
  other v1: -3661.42,-2381.89 -3622.05,-2381.89 -3582.68,-2381.89 -3543.31,-2381.89 -3503.94,-2381.89 -3661.42,-2342.52 -3622.05,-2342.52 -3582.68,-2342.52 -3543.31,-2342.52 -3503.94,-2342.52 -3622.05,-2303.15 -3582.68,-2303.15 -3543.31,-2303.15 -3503.94,-2303.15 -3582.68,-2263.78 -3543.31,-2263.78 -3503.94,-2263.78 -3543.31,-2224.41 -3503.94,-2224.41 -3503.94,-2185.04
pads on no net: D4.M1 D5.M1 RN0A.1 RN0A.16 RN0B.8 RN0B.9 RN1A.1 RN1A.16 RN1B.8 RN1B.9 RN2A.1 RN2A.16 RN2B.8 RN2B.9 RN3A.1 RN3A.2 RN3A.6 RN3A.7 RN3A.8 RN3A.9 RN3A.10 RN3A.11 RN3A.15 RN3A.16 RN3B.1 RN3B.4 RN3B.5 RN3B.6 RN3B.7 RN3B.8 RN3B.9 RN3B.10 RN3B.11 RN3B.12 RN3B.13 RN3B.16 U0.15 U1.15 U2.15 U3.1 U3.5 U3.6 U3.7 U3.9 U3.15

## Polygon pours and split planes (outlines as drawn)
GND on Bottom Layer "NONET_L01_P-001" (solid, remove dead copper, pour order 38): -3834.65,-3267.72 -5984.25,-189.37 -5984.25,-19.69 cw(c-5964.57,-19.69) -5964.57,0 0,0 0,-3267.72
+12 on Bottom Layer "Bottom Layer-+12" (solid, pour order 23): -2834.65,-2736.22 -2716.54,-2618.11 -2716.54,-2549.21 -2657.48,-2490.16 -2400,-2490.16 -2400,-2647.64 -2043.24,-2647.64 -2043.24,-2356.36 -2096.46,-2303.15 -2775.59,-2303.15 -2824.8,-2352.36 -2824.8,-2480.31 -2893.7,-2549.21 -2992.13,-2549.21 -3681.1,-2549.21 -3681.1,-2736.22
VCC on Bottom Layer "Bottom Layer VCC" (solid, pour order 27): -3267.72,-2559.06 -3208.66,-2500 -3208.66,-2470.47 -3228.35,-2470.47 -3274.8,-2424.02 -3274.8,-2312.99 -3255.12,-2293.31 -3129.92,-2293.31 -3120.08,-2283.46 -3120.08,-2165.35 -3139.76,-2145.67 -3503.94,-2145.67 -3681.1,-2322.83 -3681.1,-2559.06 -3385.83,-2559.06
VCC on Top Layer "NONET_L01_P-001" (solid, remove dead copper, pour order 37): -3834.65,-3267.72 -5984.25,-189.37 -5984.25,-19.69 cw(c-5964.57,-19.69) -5964.57,0 0,0 0,-3267.72
+12 on Top Layer "Top Layer +12" (solid, pour order 28): -3200.79,-3179.13 -3049.37,-3179.13 -3004.09,-3224.41 -330.87,-3224.41 -330.87,-3196.85 -43.46,-2909.45 -43.46,-318.9 -354.49,-7.87 -5027.72,-7.87 -5027.72,-223.36 -4650.68,-223.36 -4614.33,-187.01 -4082.83,-187.01 -4082.83,-226.38 -3767.87,-226.38 -3767.87,-187.01 -3049.37,-187.01 -3049.37,-226.38 -2675.35,-226.38 -2675.35,-187.01 -2094.65,-187.01 -2094.65,-226.38 -1819.06,-226.38 -1819.06,-187.01 -1523.78,-187.01 -1523.78,-226.38 -1159.61,-226.38 -1159.61,-187.01 -628.11,-187.01 -628.11,-226.38 -563.61,-226.38 -271.81,-518.17 -271.81,-2870.08 -437.17,-3035.43 -3039.53,-3035.43 -3039.53,-2566.93 -3041.5,-2568.9 -3200.79,-2568.9 -3200.79,-2818.9 -3200.79,-2842.52
GND on Top Layer "Top Layer GND BEEF" (solid, pour order 18): -1820.87,-2962.6 -1801.18,-2942.91 -1801.18,-2263.78 -1820.87,-2244.09 -1881.89,-2244.09 -1899.61,-2261.81 -1899.61,-2942.91 -1879.92,-2962.6

## Silkscreen, mask and mechanical layers (free items; w line width, h text height)
Bottom Overlay:
  lines w10: -5620.31,-306.54 cw(c-5621.29,-306.54) -5620.34,-306.3 ; -4317.91,-708.66 cw(c-4318.9,-708.66) -4317.94,-708.42 ; -2401.17,-709.71 ccw(c-2402.13,-709.95) -2401.14,-709.95 ; -823.47,-711.54 ccw(c-824.42,-711.78) -823.44,-711.78
  lines w19.68: -2086.61,-1968.5 -1225.28,-1968.5 -1225.28,-1087.4 -2086.61,-1087.4 -2086.61,-1968.5 ; -2076.77,-779.69 -2076.77,-484.41 -1236.85,-484.41 -1236.85,-779.69 -2076.77,-779.69
  text "S/N" at -1250.08,-433.63 h177.17
  text "NOTES" at -1245.51,-1042.52 h177.17
  text "Sinking Clock - LED PCB / Mk. VII / Mark Hofmeister / HofLab, 5/2025" at -2652.56,-1725.09 h147.64
  text "GND" at -2431.1,-1776.56 h98.43
  text "+12V" at -2431.1,-1998.03 h98.43
  text "VCC" at -2421.26,-2213.87 h68.9
  text "GND" at -1347.09,-2215.79 h98.43
  text "SHIFT_DATA_IN" at -1003.72,-2416.82 h90.55
  text "SHIFT_OUTPUT_EN" at -817.88,-2608.84 h98.43
  text "SHIFT_STORE_CLK" at -837.84,-2795.85 h98.43
  text "SHIFT_DATA_CLK" at -880.8,-2973.02 h98.43
  text "SHIFT_MCLR" at -1045.58,-3150.18 h98.43
  text "BRAIN PCB PWR + DATA" at -2775.81,-3199.69 h98.43 r270
Outline:
  the board outline again, w11.81
Digit Outlines:
  lines w10: -5592.52,-783.46 -5592.52,-472.44 -5474.41,-354.33 -5474.41,-944.88 ; -4087.11,-1692.91 -4183.07,-1692.91 -4645.67,-1692.91 -4753.94,-1692.91 -4822.83,-1624.02 -4734.25,-1535.43 -4645.67,-1535.43 -4171.26,-1535.43 -4082.68,-1535.43 -4000,-1618.11 -4074.8,-1692.91 ; -4005.91,-1777.17 -3976.38,-1747.64 -3868.11,-1639.37 -3868.11,-2903.54 -4005.91,-2765.75 -4005.91,-1776.57 ; -2157.97,-1702.76 -2253.94,-1702.76 -2716.54,-1702.76 -2824.8,-1702.76 -2893.7,-1633.86 -2805.12,-1545.28 -2716.54,-1545.28 -2242.13,-1545.28 -2153.54,-1545.28 -2070.87,-1627.95 -2145.67,-1702.76 ; -2086.61,-482.87 -2086.61,-462.6 -1948.82,-324.8 -1948.82,-1427.76 -1977.76,-1427.76 -2086.61,-1318.9 -2086.61,-482.28 ; -501.97,-473.03 -472.44,-443.5 -364.17,-335.24 -364.17,-1417.91 -393.11,-1417.91 -501.97,-1309.06 -501.97,-472.44 ; -492.13,-1895.28 -462.6,-1865.75 -354.33,-1757.48 -354.33,-2840.16 -383.27,-2840.16 -492.13,-2731.3 -492.13,-1894.69 ; -3858.27,-167.32 -3858.27,-167.32 ; -3858.27,-167.32 -3996.06,-305.12 -4803.15,-305.12 -4832.68,-275.59 -4940.94,-167.32 -3858.27,-167.32 ; -1929.13,-167.32 -1929.13,-167.32 ; -1929.13,-167.32 -3011.81,-167.32 -2903.54,-275.59 -2874.02,-305.12 -2066.93,-305.12 -1929.13,-167.32 ; -344.49,-167.32 -344.49,-167.32 ; -344.49,-167.32 -482.28,-305.12 -1289.37,-305.12 -1318.9,-275.59 -1427.17,-167.32 -344.49,-167.32 ; -5009.84,-1537.72 -5009.84,-364.17 -4955.71,-364.17 -4872.05,-447.83 -4872.05,-1309.06 -4872.05,-1338.58 -4872.05,-1399.92 -5009.84,-1537.72 ; -4015.75,-1358.27 -3936.42,-1437.6 -3877.95,-1437.6 -3877.95,-338.58 -3986.22,-446.85 -3999.31,-459.94 -4015.75,-476.38 -4015.75,-1358.27 ; -3021.65,-1466.54 -2883.86,-1328.74 -2883.86,-472.44 -3001.97,-354.33 -3021.65,-354.33 -3021.65,-1466.54 ; -3011.81,-3061.02 -2874.02,-2923.23 -2066.93,-2923.23 -2037.4,-2952.76 -1929.13,-3061.02 -3011.81,-3061.02 ; -3011.81,-2859.25 -3011.81,-1776.58 -2987.2,-1776.58 -2874.02,-1889.76 -2874.02,-2721.46 -2903.54,-2750.98 -3011.81,-2859.25 ; -2076.77,-2741.14 -2076.77,-1879.92 -2047.24,-1850.39 -1938.98,-1742.13 -1938.98,-2850 -1967.91,-2850 -2076.77,-2741.14 ; -1437.01,-1456.69 -1328.74,-1348.43 -1299.21,-1318.9 -1299.21,-472.44 -1427.17,-344.49 -1437.01,-344.49 -1437.01,-1456.69 ; -1427.17,-3051.18 -344.49,-3051.18 -452.76,-2942.91 -482.28,-2913.39 -1289.37,-2913.39 -1427.17,-3051.18 ; -1427.17,-2849.41 -1318.9,-2741.14 -1289.37,-2711.61 -1289.37,-1870.08 -1392.72,-1766.73 -1427.17,-1766.73 -1427.17,-2849.41 ; -1309.05,-1624.02 -1220.47,-1535.43 -1131.89,-1535.43 -657.48,-1535.43 -568.9,-1535.43 -486.22,-1618.11 -561.02,-1692.91 -573.33,-1692.91 -669.29,-1692.91 -1131.89,-1692.91 -1240.16,-1692.91 -1309.05,-1624.02
Fab Instructions:
  text "sinking-clock_LED-PCB / 1. 2 layers / 2. Copper Thickness: 1 oz  / 3. Dielectric Material: FR4 or HofLabs approved substitute / 4. Plating Finish: HASL lead or HofLabs approved substitute. May upgrade to ENIG if no extra charge. / 5. PCB Thickness: 1.6 mm  / 6. Soldermask Color: White or HofLabs approved substitute / 7. Silkscreen Color: Black or HofLabs approved substitute / 8. Vias are tented" at 551.18,-2188.98 h78.74

## Dimensions
0,-3267.72 to -3834.65,-3267.72 on Mechanical 16
0,0 to 0,-3267.72 on Mechanical 16
0,0 to -6169.29,0 on Mechanical 16

## Text inside footprints (layer, text, board x,y; h text height)
C1: Bottom Overlay "-" at -3010.39,-2364.53 h120 r270; Bottom Overlay "+" at -3005.57,-2734.53 h80 r270
C2: Bottom Overlay "-" at -3197.4,-1970.41 h120 r270; Bottom Overlay "+" at -3192.58,-2340.41 h80 r270
C3: Bottom Overlay "+" at -3438.64,-2340.41 h80 r270; Bottom Overlay "-" at -3443.46,-1970.41 h120 r270